# KiCad board HPM6P00ADCEVKRevB.kicad_pcb (continued)
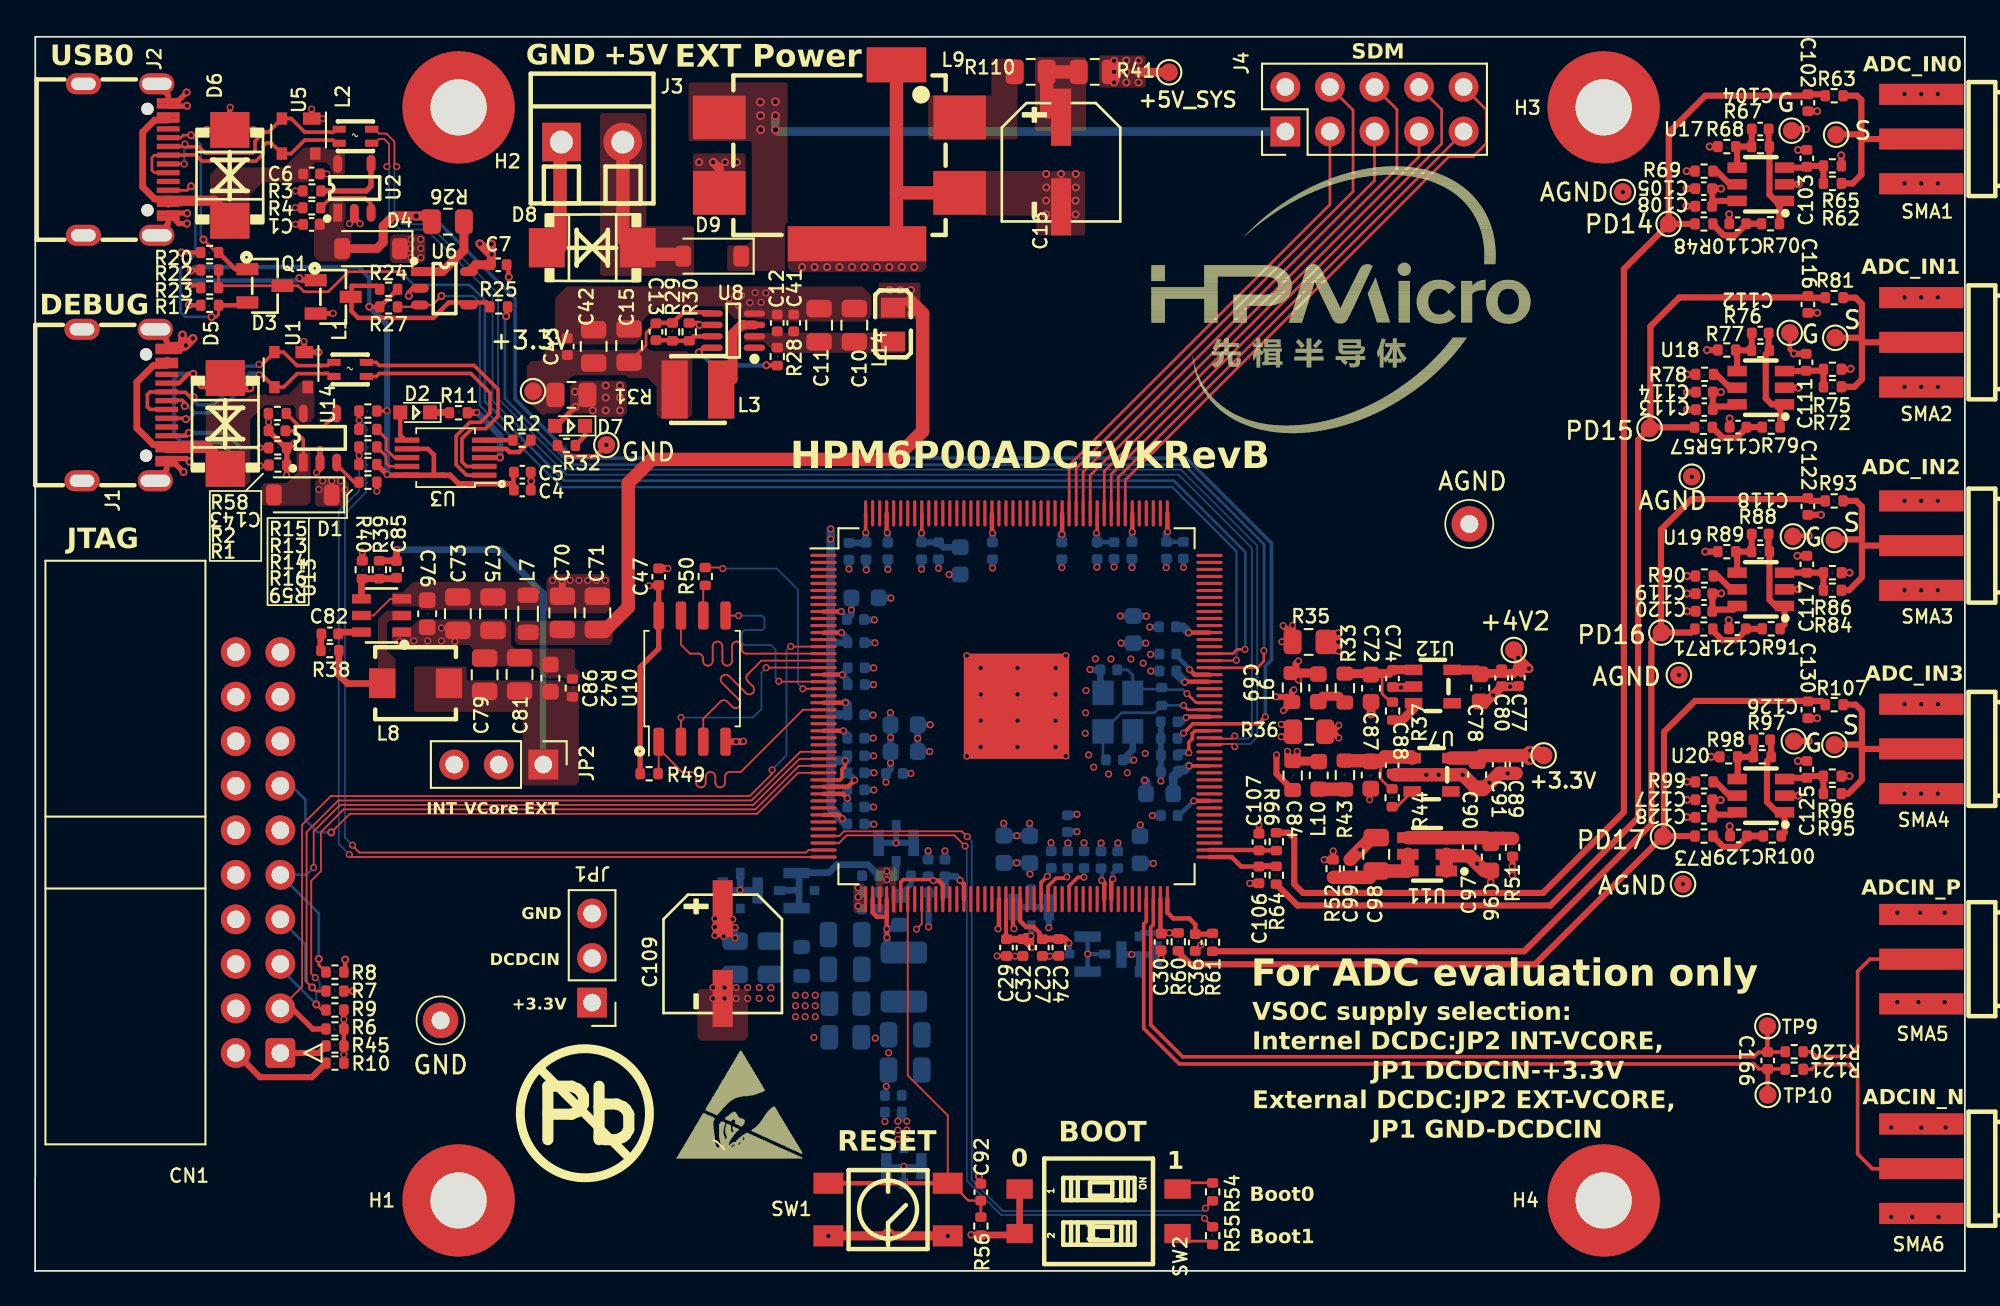
[diagram p0: board, top side]
## Library data of the parts
C1 C108 C114 C120 C128 C143 = -: Description: 0402; Company: SAMSUNG(三星); Model: CL05A105KO5NNNC
C4 C7 C62 C64 = -: Description: 0402; Company: SAMSUNG(三星); Model: CL05A475MP5NRNC
C5 C12 C22 C23 C25 C28 C31 C33-C35 C37 C40 C41 C43-C61 C63 C65 C68 C74 C76 C80 C83 C86 C88 C91-C95 C97 C99-C101 C105 C113 C119 C123 C124 C127 C131-C133 C137 C139 C172 = -: Description: 0402; Company: SAMSUNG(三星); Model: CL05B104KO5NNNC
C6 = -: Description: 0402; Company: SAMSUNG(三星); Model: 0402B104K500NT
C10 C11 C15 C42 C70 C71 C73 C75 C79 C81 C98 = -: Description: 0805; Company: SAMSUNG(三星); Model: CL21A226MPQNNNE
C13 C82 C85 = -: Description: 0402; Company: YAGEO(国巨); Model: CC0402JRNPO9BN180
C14 C17-C21 C38 C39 C134-C136 C138 C140-C142 = -: Description: 0603; Company: SAMSUNG(三星); Model: CL10A226MP8NUNE
C16 C109 = -: Description: 电解电容 SMD; Company: ROQANG(容强); Model: RVE1C221M0607
C24 C32 = -: Description: 0603; Company: SAMSUNG(三星); Model: CL10A475KO8NNNC
C26 = -: Description: 0402; Company: SAMSUNG(三星); Model: CL05B222KB5NNNC
C27 C29 C77 C89 = -: Description: 0402; Company: YAGEO(国巨); Model: CC0402KRX7R7BB103
C30 C36 C102 C106 C107 C116 C122 C130 = -: Description: 0402; Company: SAMSUNG(三星); DNP: DNP; Model: CL05B103KB5NNNC
C66 C67 = -: Description: 0402; Company: YAGEO(国巨); Model: CC0402JRNPO9BN120
C69 C72 C78 C84 C87 C90 = -: Company: SAMSUNG(三星); Model: CL10A106KP8NNNC
C96 = -: Description: 0402; Company: SAMSUNG(三星); Model: CL05A106MP5NUNC
C103 C111 C117 C125 = -: Description: 0402; Company: YAGEO(国巨); DNP: DNP; Model: CC0402JRNPO9BN100
C104 C112 C118 C126 = -: Description: 0402; Company: SAMSUNG(三星); Model: CL05B102KB5NNNC
C110 C115 C121 C129 = -: Description: 0402; Company: SAMSUNG(三星); Model: CL05B103KB5NNNC
C166 = -: Description: Unpolarized capacitor
CN1 = -: SuppliersPartNumber: C93700
D1 D4 D9 = -: Description: 40V,1A; Company: DIODES(美台); Model: 1N5819HW-7-F; SuppliersPartNumber: C115726
D2 = -: Company: 国星光电; Model: NCD0603C1
D3 = -: Description: 肖特基二极管，一输入，同向两输出; Company: DIODES(美台); SuppliersPartNumber: C134401
D5 D6 D8 = -: Description: 瞬态抑制二极管(TVS); Comment: P6SMB6.8CA; Company: Brightking(君耀电子); ComponentLink1Description: 供应商链接; Model: P6SMB6.8CA/TR13; Package: SMB/DO-214AA; Supplier: LC; SuppliersPartNumber: C78395; description: TVS
D7 = -: Company: 国星光电; Model: NCD0603R1
FB1 = -: Description: PZ1608D101-2R0TF; Company: Sunlord(顺络); Model: PZ1608D101-2R0TF
H1-H4 = -: Description: Mounting Hole with connection
J1 J2 = -: Description: kinghelm(金航标); Company: kinghelm(金航标)
J3 = -: Company: DIBO(地博电气); SuppliersPartNumber: C466970; uuid: std:f941f515b5f84499a781072d7f67603b
J4 = -: Description: P2.54; Company: XFCN(兴飞); Model: PZ254V-12-10P
JP1 JP2 = -: Description: Jumper, 3-pole, pins 1+2 closed/bridged
L1 L2 = -: Description: 共模滤波器; Company: muRata(村田)
L3 = -: Description: SWPA3012S4R7MT; Company: Sunlord(顺络); Model: SWPA3012S4R7MT
L4 = -: Description: DFE322520FD-4R7M=P2; Company: muRata(村田); Model: DFE322520FD-4R7M=P2
L6 L10 = -: Company: muRata(村田); SuppliersPartNumber: C76883; uuid: std:31453510072c4f8e98ec6bbf092c7702
L7 L14 = -: Company: muRata(村田); SuppliersPartNumber: C88990; uuid: std:c6c312cff53c449fa945d85d178df128
L8 = -: SuppliersPartNumber: C2838338; uuid: std:caeaf069acbc4ccdb76acdbd2eaebbe6
L9 = -: Company: muRata(村田); SuppliersPartNumber: C124739; uuid: std:4caaedfd5ace4634969c82584ff1f893
Q1 = -: Description: 场效应管MOSFET, 60V ，115mA; Company: CJ(江苏长电/长晶)
R1 R2 R11 R13-R17 R20 = -: Description: Resistor; Company: UNI-ROYAL(厚声); Model: 0402WGF5101TCE
R3 R6-R9 R23 R24 R27 R28 R32 R37 R38 R44 R45 R56 R58 = -: Description: Resistor; Company: UNI-ROYAL(厚声); Model: 0402WGF1002TCE
R4 R59 = -: Description: Resistor; Company: UNI-ROYAL(厚声); Model: 0402WGF3300TCE
R10 R25 = -: Description: Resistor; Company: UNI-ROYAL(厚声); DNP: DNP; Model: 0402WGF1002TCE
R12 = -: Description: Resistor; ASSY_OPT: DNP; Company: UNI-ROYAL(厚声); Model: 0402WGF5101TCE
R22 = -: Description: Resistor; Company: UNI-ROYAL(厚声); Model: 0402WGF1003TCE
R26 R31 R34-R36 R41 R46 = -: Description: Resistor; Company: FH(风华); Model: RS-05000JT
R29 R39 R40 R42 = -: Company: UNI-ROYAL(厚声); Model: 0402WGF2003TCE
R30 = -: Description: 44.2K_0402; Company: UNI-ROYAL(厚声); Model: 0402WGF4422TCE
R33 R43 = -: Company: UNI-ROYAL(厚声); Model: 0603WAF100JT5E
R47 = -: Description: Resistor; Company: UNI-ROYAL(厚声); Model: 0402WGF100JTCE
R48 R51 R52 R57 R69 R71 R73 R78 R90 R99 = -: Description: Resistor; Company: YAGEO(国巨); Model: RC0402JR-070RL
R49 = -: Description: Resistor; ASSY_OPT: DNP; Company: UNI-ROYAL(厚声); Model: 0402WGF1002TCE
R50 = -: Description: Resistor; Company: UNI-ROYAL(厚声); Model: 0402WGF330JTCE
R53 = -: Description: Resistor; Company: UNI-ROYAL(厚声); Model: CQ02WGJ0105TCE
R54 R55 R67 R76 R88 R97 = -: Description: Resistor; Company: UNI-ROYAL(厚声); Model: 0402WGF1001TCE
R60 R61 R63 R64 R66 R70 R79 R81 R91 R93 R100 R107 = -: Description: Resistor; Company: UNI-ROYAL(厚声); Model: 0402WGF220KTCE
R62 R65 R72 R75 R84 R86 R95 R96 = -: Description: Resistor; Company: UNI-ROYAL(厚声); DNP: DNP; Model: 0402WGF499JTCE
R68 R77 R89 R98 = -: Description: Resistor; Company: UNI-ROYAL(厚声); DNP: DNP; Model: 0402WGF1001TCE
R110 = -: Description: Resistor; Company: UNI-ROYAL(厚声); Model: RS-05L1R00FT
R120 R121 = -: Description: Resistor
SMA1 = -: Company: BAT WIRELESS(蝙蝠无线); Model: BWSMA-KE-P001; SuppliersPartNumber: C9900018296
SMA2-SMA4 = -: Company: BAT WIRELESS(蝙蝠无线); Model: BWSMA-KE-P001; SuppliersPartNumber: C9900018296; uuid: std:54ec4f79ad824cb2bdc504487557a48c
SMA5 SMA6 = -: SuppliersPartNumber: C9900018296; uuid: std:54ec4f79ad824cb2bdc504487557a48c
SW1 = -: Company: SHOU HAN(首韩); Model: TS4540TP
SW2 = -: Company: 圜达; SuppliersPartNumber: C501304
TP1 TP4 = -: Company: 荣和; Model: RH-5003
TP2 TP3 TP5-TP7 = -: Description: test point
TP8-TP12 TP15-TP25 TP29 TP30 = -: Description: test point; Category: Test and Measurement; DK_Datasheet_Link: http://www.keyelco.com/product-pdf.cfm?p=1311; DK_Detail_Page: /product-detail/en/keystone-electronics/5002/36-5002-ND/255328; Digi-Key_PN: 36-5002-ND; Family: Test Points; MPN: 5002; Manufacturer: Keystone Electronics; Status: Active
U1 = -: Description: 静电放电(ESD)保护器件; COMPONENTLINK1DESCRIPTION: ErpDataInfo; COMPONENTLINK1URL: http://erp.zlgmcu.com/ErpExt/ErpData/ListMateriel.aspx?pkey=1.05.10.0153; Company: TECH PUBLIC(台舟); ROHS: RoHS; 厂商: NXP; 名称: 集成电路; 器件优选方案: 量产物料,优先选用; 封装: SOT-143B; 物料代码: 1.05.10.0153; 设备封装名称: SOT-143B_PRTR5V0U2X; 贴片和直插: SMT
U2 U14 = -: Description: OVP，过压过流保护; Company: 平芯微
U3 = -: Description: USB转串口芯片; Company: WCH(南京沁恒)
U5 = -: Description: 静电放电(ESD)保护器件; Company: TECH PUBLIC(台舟)
U6 = -: Description: 功率电子开关; Company: DIODES(美台); SuppliersPartNumber: C110464
U7 = -: Company: TI(德州仪器); Model: TPS7A2042PDBVR; SuppliersPartNumber: C2877861; uuid: std:2e31b5861a784133b2ecb561012a4cf5
U8 = -: Description: DC-DC,降压; Company: MPS; SuppliersPartNumber: C84831; uuid: std:b583fc70ad1663cc24636fba188e0465
U10 = -: Description: NOR FLASH; Company: MXIC(旺宏电子)
U11 = -: Company: TI(德州仪器); SuppliersPartNumber: C882722; uuid: std:0c9ceb81bcbd48178b467e87fa28b230
U12 = -: Company: TI(德州仪器); SuppliersPartNumber: C2877861; uuid: std:86b2ac9aec524e94ada921671f19668d
U13 = -: SuppliersPartNumber: C191884; uuid: std:dbdc426905904fe188ec485df0d8f0d5
U17-U20 = -: Company: TI(德州仪器); SuppliersPartNumber: C495362; uuid: std:90e4ce1759de412d9bf8c9107a5f1053
W1-W3 W5-W8 = -: Company: SHOU HAN(首韩); SuppliersPartNumber: C18222211; uuid: std:3c13f2d8b71f4dfdb888abfcda15d851
X1 = -: Company: EPSON(爱普生); Model: X1E0000210129

## Footprints (pads in the part's own frame, mm; a bottom-side part is the same pattern mirrored in y, then rotated)
3225
  rect 1.4x1.2 smd: 1(-1.1,-0.85) 2(1.1,-0.85) 3(1.1,0.85) 4(-1.1,0.85)
C_0402_1005Metric
  rrect 0.56x0.62 smd: 1(-0.48,0) 2(0.48,0)
C_0603_1608Metric
  rrect 0.9x0.95 smd: 1(-0.775,0) 2(0.775,0)
C_0805_2012Metric
  rrect 1x1.45 smd: 1(-0.95,0) 2(0.95,0)
CAP-SMD_BD6.3-L6.6-W6.6-LS7.2-R-RD
  rect 3.26x1.15 smd: 1(2.555,0) 2(-2.555,0)
CONN-TH_2P-P3.50_L7.4-W7.0
  rect 2.2x2.2 hole 1.3: 1(-1.75,0)
  round 2.2 hole 1.3: 2(1.75,0)
D_SOD-123
  rrect 0.9x1.2 smd: 1(-1.65,0) 2(1.65,0)
FILTER-SMD_BNX022-01L
  rect 3x2.5 smd: 1(-6.85,2.1) 2(6.85,2.1) 3(-6.85,-2.2) 4(6.85,-2.2)
  rect 3.4x2 smd: 5(3.25,5.1)
  rect 7.9x2 smd: 6(1,-5.1)
IDC-Header_2x10_P2.54mm_Horizontal
  rrect 1.7x1.7 hole 1: 1(0,0)
  round 1.7 hole 1: 2(2.54,0) 3(0,-2.54) 4(2.54,-2.54) 5(0,-5.08) 6(2.54,-5.08) 7(0,-7.62) 8(2.54,-7.62) 9(0,-10.16) 10(2.54,-10.16) 11(0,-12.7) 12(2.54,-12.7) 13(0,-15.24) 14(2.54,-15.24) 15(0,-17.78) 16(2.54,-17.78) 17(0,-20.32) 18(2.54,-20.32) 19(0,-22.86) 20(2.54,-22.86)
IND-SMD_L4.6-W4.1
  rect 1.5x1.7 smd: 1(-1.9,0) 2(1.9,0)
L0805
  rect 1.133x1.377 smd: 1(-0.966,0) 2(0.966,0)
L2012
  rect 0.4x0.75 smd: 1(-0.4,-0.925) 2(-0.4,0.925) 3(0.4,0.925) 4(0.4,-0.925)
L3012
  rect 1.501x3.32 smd: 1(1.328,0) 2(-1.328,0)
L_0603_1608Metric
  rrect 0.875x0.95 smd: 1(-0.787,0) 2(0.787,0)
L_0805_2012Metric
  rrect 0.875x1.2 smd: 1(-1.062,0) 2(1.062,0)
L_1210_3225Metric
  rrect 1.25x2.65 smd: 1(-1.4,0) 2(1.4,0)
LED_0603
  rect 0.8x0.8 smd: 1(0.851,0) 2(-0.851,0)
LQFP-176_20x20_Pitch0.4mm
  rrect 1.5x1.5 smd: (-2,2) (-2,0) (-2,-2) (-0.1,-2) (0,2) (0,0) (2,2) (2,0) (2,-2)
  oval 1.5x0.18 smd: 1(-11,8.6) 2(-11,8.2) 3(-11,7.8) 4(-11,7.4) 5(-11,7) 6(-11,6.6) 7(-11,6.2) 8(-11,5.8) 9(-11,5.4) 10(-11,5) 11(-11,4.6) 12(-11,4.2) 13(-11,3.8) 14(-11,3.4) 15(-11,3) 16(-11,2.6) 17(-11,2.2) 18(-11,1.8) 19(-11,1.4) 20(-11,1) 21(-11,0.6) 22(-11,0.2) 23(-11,-0.2) 24(-11,-0.6) 25(-11,-1) 26(-11,-1.4) 27(-11,-1.8) 28(-11,-2.2) 29(-11,-2.6) 30(-11,-3) 31(-11,-3.4) 32(-11,-3.8) 33(-11,-4.2) 34(-11,-4.6) 35(-11,-5) 36(-11,-5.4) 37(-11,-5.8) 38(-11,-6.2) 39(-11,-6.6) 40(-11,-7) 41(-11,-7.4) 42(-11,-7.8) 43(-11,-8.2) 44(-11,-8.6) 89(11,-8.6) 90(11,-8.2) 91(11,-7.8) 92(11,-7.4) 93(11,-7) 94(11,-6.6) 95(11,-6.2) 96(11,-5.8) 97(11,-5.4) 98(11,-5) 99(11,-4.6) 100(11,-4.2) 101(11,-3.8) 102(11,-3.4) 103(11,-3) 104(11,-2.6) 105(11,-2.2) 106(11,-1.8) 107(11,-1.4) 108(11,-1) 109(11,-0.6) 110(11,-0.2) 111(11,0.2) 112(11,0.6) 113(11,1) 114(11,1.4) 115(11,1.8) 116(11,2.2) 117(11,2.6) 118(11,3) 119(11,3.4) 120(11,3.8) 121(11,4.2) 122(11,4.6) 123(11,5) 124(11,5.4) 125(11,5.8) 126(11,6.2) 127(11,6.6) 128(11,7) 129(11,7.4) 130(11,7.8) 131(11,8.2) 132(11,8.6)
  oval 0.18x1.5 smd: 45(-8.6,-11) 46(-8.2,-11) 47(-7.8,-11) 48(-7.4,-11) 49(-7,-11) 50(-6.6,-11) 51(-6.2,-11) 52(-5.8,-11) 53(-5.4,-11) 54(-5,-11) 55(-4.6,-11) 56(-4.2,-11) 57(-3.8,-11) 58(-3.4,-11) 59(-3,-11) 60(-2.6,-11) 61(-2.2,-11) 62(-1.8,-11) 63(-1.4,-11) 64(-1,-11) 65(-0.6,-11) 66(-0.2,-11) 67(0.2,-11) 68(0.6,-11) 69(1,-11) 70(1.4,-11) 71(1.8,-11) 72(2.2,-11) 73(2.6,-11) 74(3,-11) 75(3.4,-11) 76(3.8,-11) 77(4.2,-11) 78(4.6,-11) 79(5,-11) 80(5.4,-11) 81(5.8,-11) 82(6.2,-11) 83(6.6,-11) 84(7,-11) 85(7.4,-11) 86(7.8,-11) 87(8.2,-11) 88(8.6,-11) 133(8.6,11) 134(8.2,11) 135(7.8,11) 136(7.4,11) 137(7,11) 138(6.6,11) 139(6.2,11) 140(5.8,11) 141(5.4,11) 142(5,11) 143(4.6,11) 144(4.2,11) 145(3.8,11) 146(3.4,11) 147(3,11) 148(2.6,11) 149(2.2,11) 150(1.8,11) 151(1.4,11) 152(1,11) 153(0.6,11) 154(0.2,11) 155(-0.2,11) 156(-0.6,11) 157(-1,11) 158(-1.4,11) 159(-1.8,11) 160(-2.2,11) 161(-2.6,11) 162(-3,11) 163(-3.4,11) 164(-3.8,11) 165(-4.2,11) 166(-4.6,11) 167(-5,11) 168(-5.4,11) 169(-5.8,11) 170(-6.2,11) 171(-6.6,11) 172(-7,11) 173(-7.4,11) 174(-7.8,11) 175(-8.2,11) 176(-8.6,11)
  rect 6x6 smd: 177(0,0)
MountingHole_3.2mm_M3_Pad
  round 6.4 hole 3.2: 1(0,0)
MSOP-10
  rect 1.4x0.3 smd: 1(-2.2,1) 2(-2.2,0.5) 3(-2.2,0) 4(-2.2,-0.5) 5(-2.2,-1) 6(2.2,-1) 7(2.2,-0.5) 8(2.2,0) 9(2.2,0.5) 10(2.2,1)
PinHeader_1x03_P2.54mm_Vertical
  rect 1.7x1.7 hole 1: 1(0,0)
  oval 1.7x1.7 hole 1: 2(0,-2.54) 3(0,-5.08)
PinHeader_2x05_P2.54mm_Vertical
  rect 1.7x1.7 hole 1: 1(0,0)
  oval 1.7x1.7 hole 1: 2(2.54,0) 3(0,-2.54) 4(2.54,-2.54) 5(0,-5.08) 6(2.54,-5.08) 7(0,-7.62) 8(2.54,-7.62) 9(0,-10.16) 10(2.54,-10.16)
R_0402_1005Metric
  rrect 0.54x0.64 smd: 1(-0.51,0) 2(0.51,0)
R_0603_1608Metric
  rrect 0.8x0.95 smd: 1(-0.825,0) 2(0.825,0)
R_0805_2012Metric
  rrect 1.025x1.4 smd: 1(-0.912,0) 2(0.912,0)
RF-SMD_IPEX3-TXZ-214
  rect 0.5x0.55 smd: 1(0,1)
  rect 0.6x1.5 smd: 2(-1,-0.025) 3(1,-0.025)
  rect 0.5x0.65 smd: 4(0,-1)
SMA-SMD_BWSMA-KE-P001
  rect 4.8x1.2 smd: 1(0,-2.55) 2(0,2.55) 5(0,0)
  rect 4.8x1.2 smd far side: 3(0,2.55) 4(0,-2.55)
SMB_(DO-214AA)
  rect 2.047x2.241 smd: 1(-2.591,0) 2(2.591,0)
SOIC8_208mil
  rrect 1.6x0.6 smd: 1(-3.6,1.905) 2(-3.6,0.635) 3(-3.6,-0.635) 4(-3.6,-1.905) 5(3.6,-1.905) 6(3.6,-0.635) 7(3.6,0.635) 8(3.6,1.905)
SOT-23
  rect 1.25x0.7 smd: 1(1,-0.95) 2(1,0.95) 3(-1,0)
SOT-23-5
  rect 1.016x0.508 smd: 1(-1.397,0.95)
  oval 1.016x0.508 smd: 2(-1.397,0) 3(-1.397,-0.95) 4(1.397,-0.95) 5(1.397,0.95)
SOT-23-5_L2.9-W1.6-P0.95-LS2.8-BR
  rect 1x0.6 smd: 1(1.1,-0.95) 2(1.1,0) 3(1.1,0.95) 4(-1.1,0.95) 5(-1.1,-0.95)
SOT-23-6_L2.9-W1.6-P0.95-LS2.8-BL
  rect 0.532x1.072 smd: 1(-0.95,-1.149) 2(0,-1.149) 3(0.95,-1.149) 4(0.95,1.149) 5(0,1.149) 6(-0.95,1.149)
SOT-23-6_L2.9-W1.6-P0.95-LS2.8-BR
  rect 1.1x0.6 smd: 1(1.35,-0.95) 2(1.35,0) 3(1.35,0.95) 4(-1.35,0.95) 5(-1.35,0) 6(-1.35,-0.95)
SOT-143
  rect 0.7x1 smd: 1(-1,0.75)
  rect 0.7x0.6 smd: 2(-1,-0.95) 3(1,-0.95) 4(1,0.95)
SW-SMD_DM-02-V
  rect 1.1x1.501 smd: 1(-1.27,-4.501) 2(1.27,-4.501) 3(1.27,4.501) 4(-1.27,4.501)
Test_Point_D1.02mm
  round 2.02 hole 1.02: 1(0,0)
TestPoint_Pad_D1.0mm
  round 1 smd: 1(0,0)
TSOT-23-6_L2.9-W1.6-P0.95-LS2.8-TL
  rect 1.219x0.622 smd: 1(-1.1,0.95) 2(-1.1,0) 3(-1.1,-0.95) 4(1.1,-0.95) 5(1.1,0) 6(1.1,0.95)
TSOT-23-8_L2.9-W1.6-P0.65-LS2.8-BR
  oval 1.222x0.364 smd: 1(1.211,-0.975) 2(1.211,-0.325) 3(1.211,0.325) 4(1.211,0.975) 5(-1.211,0.975) 6(-1.211,0.325) 7(-1.211,-0.325) 8(-1.211,-0.975)
TYPE-C-16P
  round 0.7 hole 0.7 unplated: (-2.89,1.235) (2.89,1.235)
  oval 1.2x2 hole 0.7x1.7: 1(-4.32,1.765) 2(4.32,1.765)
  oval 1.2x2 hole 0.7x1.4: 3(-4.32,-2.415) 4(4.32,-2.415)
  rect 0.3x1.3 smd: A1(-3.35,2.415) A4(-2.55,2.415) A5(-1.25,2.415) A6(-0.25,2.415) A7(0.25,2.415) A8(1.25,2.415) A9(2.55,2.415) A12(3.35,2.415) B1(3.05,2.415) B4(2.25,2.415) B5(1.75,2.415) B6(0.75,2.415) B7(-0.75,2.415) B8(-1.75,2.415) B9(-2.25,2.415) B12(-3.05,2.415)
轻触开关SMD-4P,4.5x4.5mm
  rect 1.699x1.199 smd: 1(-3.401,-1.501) 2(3.401,-1.501) 3(3.401,1.501) 4(-3.401,1.501)

## Nets
5V_Debug: D5.2 J1.A4 J1.A9 J1.B4 J1.B9 U1.4 U14.5
5V_SYS: C69.1 C70.1 C71.1 C84.1 L6.1 L7.1 L10.1 L14.1 R41.2 TP2.1
+1V2: C79.1 C81.1 C85.1 C86.1 JP2.1 L8.1 R39.2 R42.2
+3.3VA: C24.1 C27.1 C89.1 C90.1 C91.1 TP6.1 U7.5 U9.67 W6.1
+3V3: C4.1 C5.1 C40.2 C44.1 C45.2 C46.2 C47.1 C48.1 C49.1 C50.1 C51.1 C52.1 C53.1 C56.2 C59.1 C60.1 C68.1 C94.2 C172.1 D7.2 JP1.1 R6.1 R7.2 R9.1 R10.1 R15.1 R16.1 R22.2 R24.2 R27.1 R31.1 R45.2 R49.2 R56.1 SW2.1 SW2.2 U3.7 U3.10 U9.12 U9.22 U9.33 U9.38 U9.50 U9.56 U9.70 U9.74 U9.80 U9.97 U9.107 U9.115 U9.121 U9.138 U9.148 U9.158 U9.173 U10.8
+4V_OPA: C77.1 C78.1 C80.1 C105.1 C108.1 C113.1 C114.1 C119.1 C120.1 C127.1 C128.1 R51.1 TP5.1 U12.5 U17.6 U18.6 U19.6 U20.6
+5V: C7.1 D1.1 D4.1 D9.1 J4.1 L9.1 U6.5
GND: C1.2 C4.2 C5.2 C6.2 C7.2 C10.2 C11.2 C12.2 C14.2 C15.2 C16.2 C17.2 C18.2 C21.2 C23.2 C31.2 C33.2 C34.2 C35.2 C37.2 C38.2 C39.2 C40.1 C41.2 C42.2 C43.2 C44.2 C45.1 C46.1 C47.2 C48.2 C49.2 C50.2 C51.2 C52.2 C53.2 C54.2 C55.2 C56.1 C57.2 C58.2 C59.2 C60.2 C61.2 C62.2 C63.2 C64.2 C65.2 C66.2 C67.2 C68.2 C69.2 C70.2 C71.2 C73.2 C75.2 C76.2 C79.2 C81.2 C83.2 C84.2 C86.2 C92.2 C93.2 C94.1 C95.2 C100.2 C101.2 C109.2 C123.2 C124.2 C131.2 C132.2 C133.2 C134.2 C135.2 C136.2 C137.2 C138.2 C139.2 C140.2 C141.2 C142.2 C143.2 C172.2 CN1.4 CN1.6 CN1.8 CN1.10 CN1.12 CN1.14 CN1.16 CN1.18 CN1.20 D5.1 D6.1 D8.1 J1.1 J1.2 J1.3 J1.4 J1.A1 J1.A12 J1.B1 J1.B12 J2.1 J2.2 J2.3 J2.4 J2.A1 J2.A12 J2.B1 J2.B12 J3.1 J4.2 JP1.3 L9.3 L9.4 L9.5 L9.6 Q1.2 R1.2 R2.2 R3.1 R4.1 R8.2 R11.2 R17.2 R20.2 R30.1 R32.1 R34.1 R35.1 R36.1 R40.1 R42.1 R46.1 R46.2 R58.1 R59.1 SW1.1 SW1.2 TP1.1 TP7.1 U1.1 U2.2 U3.3 U5.1 U6.2 U8.4 U8.6 U9.177 U10.4 U13.1 U14.2 W1.2 W1.3 W1.4 W2.2 W2.3 W2.4 W5.2 W5.3 W5.4 X1.2 X1.4
GNDA: C24.2 C27.2 C29.2 C30.2 C32.2 C36.2 C72.2 C74.2 C77.2 C78.2 C80.2 C87.2 C88.2 C89.2 C90.2 C91.2 C96.2 C97.2 C98.2 C99.2 C102.2 C103.2 C105.2 C106.2 C107.2 C108.2 C110.2 C111.2 C113.2 C114.2 C115.2 C116.2 C117.2 C119.2 C120.2 C121.2 C122.2 C125.2 C127.2 C128.2 C129.2 C130.2 R35.2 R36.2 R65.1 R68.2 R69.2 R75.1 R77.2 R78.2 R86.1 R89.2 R90.2 R96.1 R98.2 R99.2 SMA1.1 SMA1.2 SMA1.3 SMA1.4 SMA2.1 SMA2.2 SMA2.3 SMA2.4 SMA3.1 SMA3.2 SMA3.3 SMA3.4 SMA4.1 SMA4.2 SMA4.3 SMA4.4 SMA5.1 SMA5.2 SMA5.3 SMA5.4 SMA6.1 SMA6.2 SMA6.3 SMA6.4 TP4.1 TP8.1 TP11.1 TP16.1 TP18.1 TP20.1 TP22.1 TP24.1 TP29.1 U7.2 U9.64 U9.66 U11.1 U11.2 U12.2 U17.2 U18.2 U19.2 U20.2 W6.2 W6.3 W6.4 W7.2 W7.3 W7.4 W8.2 W8.3 W8.4
VBUS: C1.1 C54.1 D4.2 R26.2 U2.1 U9.108
VDD_SOC: C31.1 C33.1 C34.1 C35.1 C37.1 C38.1 C39.1 C55.1 C57.1 C58.1 C83.1 C93.1 C95.1 C100.1 C101.1 C123.1 C124.1 C131.1 C132.1 C133.1 C134.1 C135.1 C136.1 C137.1 C138.1 C139.1 C140.1 C141.1 C142.1 JP2.2 U9.9 U9.18 U9.26 U9.34 U9.71 U9.79 U9.102 U9.109 U9.114 U9.133 U9.143 U9.168 U9.176
/HPM600ADCEVK MAINENTRY/ADC_Signal_IN/IN0: R62.1 R63.1 SMA1.5 TP12.1
/HPM600ADCEVK MAINENTRY/ADC_Signal_IN/IN1: R72.1 R81.1 SMA2.5 TP17.1
/HPM600ADCEVK MAINENTRY/ADC_Signal_IN/IN2: R84.1 R93.1 SMA3.5 TP21.1
/HPM600ADCEVK MAINENTRY/ADC_Signal_IN/IN3: R95.1 R107.1 SMA4.5 TP25.1
/HPM600ADCEVK MAINENTRY/ADCIN_N: C166.2 R121.2 TP10.1 U9.85
/HPM600ADCEVK MAINENTRY/ADCIN_P: C166.1 R120.2 TP9.1 U9.86
/HPM600ADCEVK MAINENTRY/DEBUG/DN1: J1.A7 J1.B7 L1.1 U1.2
/HPM600ADCEVK MAINENTRY/DEBUG/DP1: J1.A6 J1.B6 L1.4 U1.3
/HPM600ADCEVK MAINENTRY/DEBUG/USB2UART_N: L1.2 U3.2
/HPM600ADCEVK MAINENTRY/DEBUG/USB2UART_P: L1.3 U3.1
/HPM600ADCEVK MAINENTRY/MCU_POWER/T1: L4.2 R47.2 U9.46 U9.48
/HPM600ADCEVK MAINENTRY/MCU_USB&OSC/RESETN: C92.1 R56.2 SW1.3 SW1.4 U9.51
/HPM600ADCEVK MAINENTRY/PA0: R14.2 R16.2 U9.44
/HPM600ADCEVK MAINENTRY/PA1: R13.2 R15.2 U9.43
/HPM600ADCEVK MAINENTRY/PA2: R55.2 U9.42
/HPM600ADCEVK MAINENTRY/PA3: R54.2 U9.41
/HPM600ADCEVK MAINENTRY/PA4: CN1.13 U9.32
/HPM600ADCEVK MAINENTRY/PA5: CN1.5 R9.2 U9.31
/HPM600ADCEVK MAINENTRY/PA6: CN1.9 R8.1 U9.30
/HPM600ADCEVK MAINENTRY/PA7: CN1.7 R7.1 U9.29
/HPM600ADCEVK MAINENTRY/PA8: CN1.3 R6.2 U9.14
/HPM600ADCEVK MAINENTRY/PA9: U9.13
/HPM600ADCEVK MAINENTRY/PA10: U9.11
/HPM600ADCEVK MAINENTRY/PA11: U9.10
/HPM600ADCEVK MAINENTRY/PA12: U9.8
/HPM600ADCEVK MAINENTRY/PA13: U9.7
/HPM600ADCEVK MAINENTRY/PA14: U9.6
/HPM600ADCEVK MAINENTRY/PA15: U9.5
/HPM600ADCEVK MAINENTRY/PA16: U9.40
/HPM600ADCEVK MAINENTRY/PA17: U9.39
/HPM600ADCEVK MAINENTRY/PA18: U9.37
/HPM600ADCEVK MAINENTRY/PA19: U9.36
/HPM600ADCEVK MAINENTRY/PA20: U9.28
/HPM600ADCEVK MAINENTRY/PA21: U9.27
/HPM600ADCEVK MAINENTRY/PA22: U9.25
/HPM600ADCEVK MAINENTRY/PA23: U9.24
/HPM600ADCEVK MAINENTRY/PA24: R49.1 U9.23 U10.1
/HPM600ADCEVK MAINENTRY/PA25: U9.21
/HPM600ADCEVK MAINENTRY/PA26: R50.2 U9.20
/HPM600ADCEVK MAINENTRY/PA27: U9.19 U10.5
/HPM600ADCEVK MAINENTRY/PA28: U9.17 U10.2
/HPM600ADCEVK MAINENTRY/PA29: U9.16 U10.3
/HPM600ADCEVK MAINENTRY/PA30: U9.15 U10.7
/HPM600ADCEVK MAINENTRY/PB0: U9.4
/HPM600ADCEVK MAINENTRY/PB1: U9.3
/HPM600ADCEVK MAINENTRY/PB2: U9.2
/HPM600ADCEVK MAINENTRY/PB3: U9.1
/HPM600ADCEVK MAINENTRY/PB4: U9.175
/HPM600ADCEVK MAINENTRY/PB5: U9.174
/HPM600ADCEVK MAINENTRY/PB6: U9.172
/HPM600ADCEVK MAINENTRY/PB7: U9.171
/HPM600ADCEVK MAINENTRY/PB8: U9.170
/HPM600ADCEVK MAINENTRY/PB9: U9.169
/HPM600ADCEVK MAINENTRY/PB10: U9.167
/HPM600ADCEVK MAINENTRY/PB11: U9.166
/HPM600ADCEVK MAINENTRY/PB12: U9.165
/HPM600ADCEVK MAINENTRY/PB13: U9.164
/HPM600ADCEVK MAINENTRY/PB14: U9.163
/HPM600ADCEVK MAINENTRY/PB15: U9.162
/HPM600ADCEVK MAINENTRY/PB16: U9.161
/HPM600ADCEVK MAINENTRY/PB17: U9.160
/HPM600ADCEVK MAINENTRY/PB18: U9.159
/HPM600ADCEVK MAINENTRY/PB19: U9.157
/HPM600ADCEVK MAINENTRY/PB20: U9.156
/HPM600ADCEVK MAINENTRY/PB21: U9.155
/HPM600ADCEVK MAINENTRY/PB22: U9.154
/HPM600ADCEVK MAINENTRY/PB23: U9.153
/HPM600ADCEVK MAINENTRY/PB24: U9.152
/HPM600ADCEVK MAINENTRY/PB25: U9.151
/HPM600ADCEVK MAINENTRY/PB26: U9.150
/HPM600ADCEVK MAINENTRY/PB27: U9.149
/HPM600ADCEVK MAINENTRY/PC0: J4.3 U9.147
/HPM600ADCEVK MAINENTRY/PC1: J4.4 U9.146
/HPM600ADCEVK MAINENTRY/PC2: J4.5 U9.145
/HPM600ADCEVK MAINENTRY/PC3: J4.6 U9.144
/HPM600ADCEVK MAINENTRY/PC4: J4.7 U9.142
/HPM600ADCEVK MAINENTRY/PC5: J4.8 U9.141
/HPM600ADCEVK MAINENTRY/PC6: J4.9 U9.140
/HPM600ADCEVK MAINENTRY/PC7: J4.10 U9.139
/HPM600ADCEVK MAINENTRY/PC8: U9.137
/HPM600ADCEVK MAINENTRY/PC9: U9.136
/HPM600ADCEVK MAINENTRY/PC10: U9.135
/HPM600ADCEVK MAINENTRY/PC11: U9.134
/HPM600ADCEVK MAINENTRY/PC12: U9.132
/HPM600ADCEVK MAINENTRY/PC13: U9.131
/HPM600ADCEVK MAINENTRY/PC14: U9.130
/HPM600ADCEVK MAINENTRY/PC15: U9.129
/HPM600ADCEVK MAINENTRY/PC16: U9.126
/HPM600ADCEVK MAINENTRY/PC17: U9.128
/HPM600ADCEVK MAINENTRY/PC18: U9.127
/HPM600ADCEVK MAINENTRY/PC19: U9.125
/HPM600ADCEVK MAINENTRY/PC20: U9.124
/HPM600ADCEVK MAINENTRY/PC21: U9.123
/HPM600ADCEVK MAINENTRY/PC22: U9.122
/HPM600ADCEVK MAINENTRY/PC23: U9.120
/HPM600ADCEVK MAINENTRY/PC24: U9.119
/HPM600ADCEVK MAINENTRY/PC25: D3.3 R22.1 R23.2 U9.118
/HPM600ADCEVK MAINENTRY/PC26: R27.2 U6.3 U9.117
/HPM600ADCEVK MAINENTRY/PC27: R25.1 U9.116
/HPM600ADCEVK MAINENTRY/PC28: U9.113
/HPM600ADCEVK MAINENTRY/PC29: U9.112
/HPM600ADCEVK MAINENTRY/PD2: U9.104
/HPM600ADCEVK MAINENTRY/PD3: U9.103
/HPM600ADCEVK MAINENTRY/PD4: U9.101
/HPM600ADCEVK MAINENTRY/PD5: U9.100
/HPM600ADCEVK MAINENTRY/PD6: U9.99
/HPM600ADCEVK MAINENTRY/PD7: U9.98
/HPM600ADCEVK MAINENTRY/PD8: U9.96
/HPM600ADCEVK MAINENTRY/PD9: U9.95
/HPM600ADCEVK MAINENTRY/PD10: U9.94
/HPM600ADCEVK MAINENTRY/PD11: U9.93
/HPM600ADCEVK MAINENTRY/PD12: U9.92
/HPM600ADCEVK MAINENTRY/PD13: U9.91
/HPM600ADCEVK MAINENTRY/PD14: C107.1 R66.2 U9.90
/HPM600ADCEVK MAINENTRY/PD15: C106.1 R64.2 U9.89
/HPM600ADCEVK MAINENTRY/PD16: C36.1 R61.2 U9.88
/HPM600ADCEVK MAINENTRY/PD17: C30.1 R60.2 U9.87 W8.1
/HPM600ADCEVK MAINENTRY/PD20: U9.84
/HPM600ADCEVK MAINENTRY/PD21: U9.83
/HPM600ADCEVK MAINENTRY/PD22: U9.82
/HPM600ADCEVK MAINENTRY/PD23: U9.81
/HPM600ADCEVK MAINENTRY/PD24: U9.78
/HPM600ADCEVK MAINENTRY/PD25: U9.77
/HPM600ADCEVK MAINENTRY/PD26: U9.76
/HPM600ADCEVK MAINENTRY/PD27: U9.75
/HPM600ADCEVK MAINENTRY/PD28: U9.73
/HPM600ADCEVK MAINENTRY/PD29: U9.72
/HPM600ADCEVK MAINENTRY/PD30: U9.69
/HPM600ADCEVK MAINENTRY/PD31: U9.68
/HPM600ADCEVK MAINENTRY/Power/DCDC_3.3V: C13.1 C15.1 C42.1 C43.1 L3.1 R29.2 R31.2 TP3.1 U8.5
/HPM600ADCEVK MAINENTRY/Power/SW: L3.2 U8.3
/HPM600ADCEVK MAINENTRY/PY0: U9.54
/HPM600ADCEVK MAINENTRY/PY1: U9.55
/HPM600ADCEVK MAINENTRY/PY2: U9.57
/HPM600ADCEVK MAINENTRY/PY3: U9.58
/HPM600ADCEVK MAINENTRY/PY4: U9.60
/HPM600ADCEVK MAINENTRY/PY5: U9.61
/HPM600ADCEVK MAINENTRY/PY6: U9.62
/HPM600ADCEVK MAINENTRY/PY7: U9.63
/HPM600ADCEVK MAINENTRY/USB0_N: L2.2 U9.105
/HPM600ADCEVK MAINENTRY/USB0_P: L2.3 U9.106
/HPM600ADCEVK MAINENTRY/USB/DN: J2.A7 J2.B7 L2.1 U5.2
/HPM600ADCEVK MAINENTRY/USB/DP: J2.A6 J2.B6 L2.4 U5.3
/HPM600ADCEVK MAINENTRY/USB/VUSB_IN: C6.1 D6.2 J2.A4 J2.A9 J2.B4 J2.B9 U2.5 U5.4
DCDC_GND: C19.2 C20.2 C22.2 C25.2 C26.2 C28.2 R34.2 U9.47 U9.49 W3.2 W3.3 W3.4 W5.1
DCDC_IN: C19.1 C20.1 C22.1 C25.1 C28.1 FB1.1 U9.45 W3.1
DCDC_VCore: C18.1 C21.1 C23.1 C61.1 JP2.3 L4.1 U9.53 W1.1
VREFH: C29.1 C32.1 R52.2 U9.65 W7.1
Net-(C16-Pad1): C16.1 R41.1 R110.2
Net-(C26-Pad1): C26.1 R47.1
Net-(C82-Pad2): C82.2 R38.1
Net-(C102-Pad1): C102.1 R48.2 R63.2 R66.1 TP15.1
Net-(C110-Pad1): C110.1 R48.1 R70.2
Net-(C115-Pad1): C115.1 R57.1 R79.2
Net-(C116-Pad1): C116.1 R57.2 R64.1 R81.2 TP19.1
Net-(C121-Pad1): C121.1 R71.1 R91.2
Net-(C122-Pad1): C122.1 R61.1 R71.2 R93.2 TP23.1
Net-(C129-Pad1): C129.1 R73.1 R100.2
Net-(C130-Pad1): C130.1 R60.1 R73.2 R107.2 TP30.1
Net-(CN1-Pad1): CN1.1 R45.1
Net-(CN1-Pad2): CN1.2 R10.2
Net-(D1-A): C143.1 D1.2 U14.1
Net-(D2-A): D2.2 U3.6
Net-(D2-K): D2.1 R11.1
Net-(D7-K): D7.1 R32.2
Net-(D9-A): D8.2 D9.2 J3.2
Net-(J1-CC1): J1.A5 R1.1
Net-(J1-CC2): J1.B5 R2.1
Net-(J2-CC1): D3.1 J2.A5 R20.1
Net-(J2-CC2): D3.2 J2.B5 R17.1
Net-(JP1-C): C14.1 C17.1 C109.1 FB1.2 JP1.2 W2.1
Net-(L6-Pad2): L6.2 R33.1
Net-(L9-CB): L9.2 R110.1
Net-(L10-Pad2): L10.2 R43.1
Net-(Q1-D): Q1.3 R24.1 R25.2 U6.4
Net-(Q1-G): Q1.1 R23.1
Net-(R120-Pad1): R120.1 SMA5.5
Net-(R121-Pad1): R121.1 SMA6.5
Net-(SW2-PIN3): R55.1 SW2.3
Net-(SW2-PIN4): R54.1 SW2.4
Net-(U2-EN): R3.2 U2.4
Net-(U2-IADJ): R4.2 U2.3
Net-(U3-RXD): R14.1 U3.9
Net-(U3-TXD): R13.1 U3.8
Net-(U3-~{CTS}): R12.2 U3.5
Net-(U3-~{RTS}): R12.1 U3.4
Net-(U6-OUT): R26.1 U6.1
Net-(U7-EN): R44.1 U7.3
Net-(U7-IN): C87.1 C88.1 R43.2 R44.2 U7.1
Net-(U8-EN): R28.2 U8.8
Net-(U8-FB): C13.2 R29.1 R30.2 U8.7
Net-(U8-VIN): C10.1 C11.1 C12.1 C41.1 L14.2 R28.1 U8.2
Net-(U9B-OTPCAP): C62.1 C63.1 U9.35
Net-(U9B-VPMCAP): C64.1 C65.1 U9.59
Net-(U9F-XTALI): C66.1 R53.2 U9.111 X1.3
Net-(U9F-XTALO): C67.1 R53.1 U9.110 X1.1
Net-(U10-CLK): R50.1 U10.6
Net-(U11-ENABLE): C96.1 C97.1 R51.2 U11.3 U11.4
Net-(U11-OUT_F): C98.1 C99.1 R52.1 U11.5 U11.6
Net-(U12-EN): R37.1 U12.3
Net-(U12-IN): C72.1 C74.1 R33.2 R37.2 U12.1
Net-(U13-BOOT): C82.1 U13.6
Net-(U13-EN): C73.1 C75.1 C76.1 L7.2 U13.3 U13.5
Net-(U13-FB): C85.2 R39.1 R40.2 U13.4
Net-(U13-SW): L8.2 R38.2 U13.2
Net-(U14-EN): R58.2 U14.4
Net-(U14-IADJ): R59.2 U14.3
Net-(U17-+IN): C103.1 R62.2 R65.2 U17.3
Net-(U17--IN): C104.2 R67.2 R68.1 U17.4
Net-(U17-MODE): R69.1 U17.5
Net-(U17-OUT): C104.1 R67.1 R70.1 U17.1
Net-(U18-+IN): C111.1 R72.2 R75.2 U18.3
Net-(U18--IN): C112.2 R76.2 R77.1 U18.4
Net-(U18-MODE): R78.1 U18.5
Net-(U18-OUT): C112.1 R76.1 R79.1 U18.1
Net-(U19-+IN): C117.1 R84.2 R86.2 U19.3
Net-(U19--IN): C118.2 R88.2 R89.1 U19.4
Net-(U19-MODE): R90.1 U19.5
Net-(U19-OUT): C118.1 R88.1 R91.1 U19.1
Net-(U20-+IN): C125.1 R95.2 R96.2 U20.3
Net-(U20--IN): C126.2 R97.2 R98.1 U20.4
Net-(U20-MODE): R99.1 U20.5
Net-(U20-OUT): C126.1 R97.1 R100.1 U20.1

Pads without a net: CN1 11 15 17 19; H1 1; H2 1; H3 1; H4 1; J1 A8 B8; J2 A8 B8; U7 4; U8 1; U9 52; U12 4

## Via types
v1: diameter 0.406, hole 0.254, TOP.Cu to BOTTOM.Cu, 341 vias
v2: diameter 0.457, hole 0.254, TOP.Cu to BOTTOM.Cu, 165 vias
v3: diameter 0.8, hole 0.4, TOP.Cu to BOTTOM.Cu, 1 via
v4: diameter 0.5, hole 0.3, TOP.Cu to BOTTOM.Cu, 7 vias

## Routing (per net, layer and track width the routed paths; a pad name or vN(x,y) marks a point on that pad's centre or on a via; arc(x,y) is an arc through that point)
5V_Debug: length 14.2
  TOP.Cu w0.381: J1.A9 10.13,46.83 10.84,46.12 9.83,47.13 J1.B4 6.74,47.13 5.8,48.07 5.8,50.69 6.74,51.63 7.5,51.63 ; 7.5,51.93 7.51,51.94
5V_SYS: length 42.6
  TOP.Cu w0.254: R41.2 v2(62.2,68.38)
  TOP.Cu w0.349: 71.87,34.32 C69.1 ; 73.08,34.09 L6.1
  TOP.Cu w0.381: v1(72.01,34.78) 71.87,34.64 71.87,34.32 ; C69.1 72.02,33.71 v1(72.02,33.7) ; v1(71.94,29.63) 71.94,29.34 ; v1(71.39,29.63) 71.39,29.37
  TOP.Cu w0.508: 73.37,33.97 73.37,33.87 ; v2(62.9,68.38) 62.92,68.36 TP2.1 ; 72.94,29.04 72.94,29.05 L10.1 ; C69.1 73.08,34.09 ; C84.1 72.8,29.07
  TOP.Cu w0.762: v2(49.92,55.26) 50.59,54.6 50.59,47.89 48.98,46.28 35.16,46.28 33.81,44.93 33.81,37.85 32.54,36.58 C71.1
  vias: v2(48.7,55.94) v2(49.31,55.94) v2(49.93,55.94) v2(49.92,54.57) v2(61.5,69.02) v2(61.5,68.39) v2(61.5,67.78) v2(62.2,69.03) v2(62.2,67.78) v2(62.9,69.02) v2(62.9,67.78)
+1V2: length 20.8
  TOP.Cu w0.381: v1(20.6,41.13) C85.1 20.59,40.5 R39.2
  BOTTOM.Cu w0.381: v1(20.6,41.13) 26.47,41.13 28.96,38.64 28.96,28.89 JP2.1
+3.3VA: length 13.7
  TOP.Cu w0.254: U9.67 56.14,19.97 56.49,19.62 56.91,19.62 57.24,19.29 57.24,18.92
  TOP.Cu w0.3: 82.02,29.3 82.2,29.12
  TOP.Cu w0.381: C24.1 57.43,18.93 ; v1(85.23,29.67) 85.23,29.12 v1(85.22,29.12) 85.5,29.4 TP6.1 ; v1(58.93,18.69) 58.68,18.93 58.18,18.93
  TOP.Cu w0.508: 84.42,29.39 84.85,29.39 ; 84.85,29.39 85.13,29.67 85.71,29.67 85.98,29.39 ; 84.85,29.39 85.13,29.12 v1(85.22,29.12)
  TOP.Cu w0.762: U7.5 82.07,29.25 82.2,29.12 82.46,29.38 84.84,29.38 84.85,29.39
  BOTTOM.Cu w0.254: W6.1 58.97,18.64 v1(58.93,18.69)
+3V3: length 131.9
  TOP.Cu w0.203: R16.1 19.46,45.99 ; U9.50 49.34,22.17 49.49,22.32 51.14,22.32 v1(51.2,22.26) ; U9.70 57.34,22.15 v1(57.7,22.5) ; v1(20.06,49.06) 20.04,49.04 R15.1 ; v1(65.76,29.55) 65.76,30.15 65.96,30.35 65.96,30.65 66.12,30.8 U9.107 ; U9.33 45.87,28 46,28.13 46,28.61 46.18,28.79 v1(46.18,29.1) ; v1(59.78,22.45) 59.44,22.45 58.94,21.95 U9.74
  TOP.Cu w0.25: v2(8.87,57.04) 8.91,57.08 R22.2 ; R27.1 19.06,54.98 v2(19.05,54.99) ; 27.26,45.55 27.26,44.54
  TOP.Cu w0.254: U9.115 66.09,34 v1(65.8,34.3) ; U9.173 48.54,42.14 v1(48.57,42.1) ; U9.38 45.81,26 v1(46.02,25.8) ; 21.1,46.88 22.39,46.88 22.73,46.54 22.73,45.38 21.1,45.38 ; U9.56 51.74,22.02 51.5,22.26 v1(51.2,22.26) ; v1(54.57,42.08) 54.54,42.11 U9.158 ; v2(18.13,15.96) R7.2 ; U9.148 58.54,42.02 v1(58.53,42) ; v1(65.75,36.41) U9.121 ; v1(17.6,12.34) R6.1 R9.1 v1(17.6,14.35) ; v1(62.54,42.15) U9.138 ; U9.12 v1(45.96,36.41) ; U9.80 61.34,22.26 v1(61.43,22.35) ; R27.1 19.66,54.98 R24.2 ; v1(46.2,32.41) U9.22 ; v1(66.04,26.8) U9.97 ; 27.26,44.89 27.26,44.54
  TOP.Cu w0.3: R16.1 20.09,45.38 U3.10 ; v1(34.99,39.08) 35.55,39.08 U10.8 35.55,35.5 35.55,35.5 34.49,34.44 R49.2 ; v2(30.8,49.27) 29.72,48.19 D7.2
  TOP.Cu w0.305: 22.73,45.38 23.25,45.38 ; 23.25,45.38 21.1,45.38 ; 23.25,45.38 23.66,45.38 24.15,44.89 24.47,44.89 ; 24.47,44.89 27.26,44.89 ; 24.47,44.89 24.24,44.89
  TOP.Cu w0.381: SW2.2 56.04,2.05 R56.1 53.36,2.05 v1(53.35,2.06) ; SW2.2 56.03,2.04 ; SW2.2 SW2.1
  TOP.Cu w0.508: 34.48,28.33 34.5,28.34
  S03.Cu w0.254: v2(18.13,15.96) 18.19,15.9 18.22,15.9
  S03.Cu w0.349: v1(58.53,42) 58.54,42.02 ; v1(48.57,42.1) 48.57,42.11
  S03.Cu w0.381: v1(66.04,26.8) 66.91,26.8 ; v1(54.57,42.08) 54.57,43.28 ; 48.57,42.11 48.57,43.5 ; 58.54,42.02 58.54,43.51 ; v1(65.75,36.41) 66.93,36.41 ; v1(65.8,34.3) 66.77,34.3 ; v1(65.76,29.55) 66.71,29.55 ; v1(62.54,42.15) 62.54,43.21
  S03.Cu w0.508: v1(61.43,22.35) 61.43,21.32 ; v1(59.78,22.45) 59.78,21.35 ; 57.7,21.33 57.7,22.5 v1(57.7,22.5)
  BOTTOM.Cu w0.203: 57.8,22.96 57.8,22.61 v1(57.7,22.5) ; 59.78,22.97 59.78,22.97 v1(59.78,22.45) ; v1(65.76,29.55) 65.62,29.69
  BOTTOM.Cu w0.25: v2(19.05,54.99) 19.05,56.64 18.44,57.25 9.08,57.25 v2(8.87,57.04)
  BOTTOM.Cu w0.254: 51.01,22.53 51.2,22.34 v1(51.2,22.26) ; 65.15,25.97 65.21,25.97 v1(66.04,26.8) ; 48.6,42.08 v1(48.57,42.1) ; v1(62.54,42.15) 62.53,42.13 ; 61.72,22.97 61.43,22.68 v1(61.43,22.35) ; v1(46.02,25.8) 46.02,25.77 C94.2 ; v1(65.8,34.3) 65.8,34.34 65.05,35.09 C59.1
  BOTTOM.Cu w0.349: v1(65.76,29.55) 65.73,29.58 65.16,29.58 65.12,29.54 ; v2(19.05,54.99) 20.07,53.97 v1(20.07,45.42)
  BOTTOM.Cu w0.381: 45.35,35.84 45.36,35.83 C45.2 46.31,36.05 v1(45.96,36.41) ; 46.22,32.38 v1(46.2,32.41) ; v1(54.57,42.08) 54.57,41.55 54.58,41.54 ; 48.6,41.41 48.6,42.08 ; 62.53,42.13 62.53,41.6 62.53,41.59
  BOTTOM.Cu w0.508: 45.75,25.95 45.35,26.36 45.35,32.58 ; 45.75,25.95 45.43,26.28 ; 45.75,25.95 46.22,25.48 C94.2 ; 45.35,42.29 45.35,32.58 ; v1(46.2,32.41) 46.31,32.3 C46.2 46.3,31.72 45.43,31.72 45.35,31.8 45.35,32.58 ; v1(65.75,36.41) 65.44,36.72 65.07,36.72 ; 45.35,29.1 45.35,29.1 v1(46.18,29.1) 46.23,29.1 46.3,29.17 C40.2 ; v1(58.53,42) C60.1
  vias: v1(45.35,42.31) v1(45.35,41.74) v2(26.73,44.89) v2(30.77,50.14) v2(31.79,49.07) v2(32.52,50.49) v2(32.52,49.81) v2(32.52,49.07) v2(33.34,50.49) v2(33.34,49.81) v2(33.34,49.07)
+4V_OPA: length 18.8
  TOP.Cu w0.349: 95.61,26.26 95.85,26.02 96.85,26.02 ; v2(96.11,38.64) 95.63,38.64 C119.1 95.61,37.72 96.81,37.72 U19.6 ; U18.6 96.9,49.3 95.77,49.3 95.63,49.43 C114.1 95.63,50.12 v2(96.1,50.12) ; 95.62,26.02 95.61,26.03 95.61,26.85 v2(96.08,26.85) ; v1(84.2,22.56) 84.22,22.58 R51.1 ; v2(96.1,61.72) C105.1 95.6,61.05 95.59,61.04 95.62,61.02 U17.6
  TOP.Cu w0.381: 84.71,34.85 84.71,34.03
  TOP.Cu w0.508: 84.55,34.34 84.28,34.08 82.37,34.08 82.17,34.28 U12.5 ; 84.55,34.34 84.55,34.95 v1(84.54,34.96) v1(85.15,34.35) 85.14,34.34 84.55,34.34
  vias: v1(84.2,23.06)
